# KiCad board panel.kicad_pcb (continued)
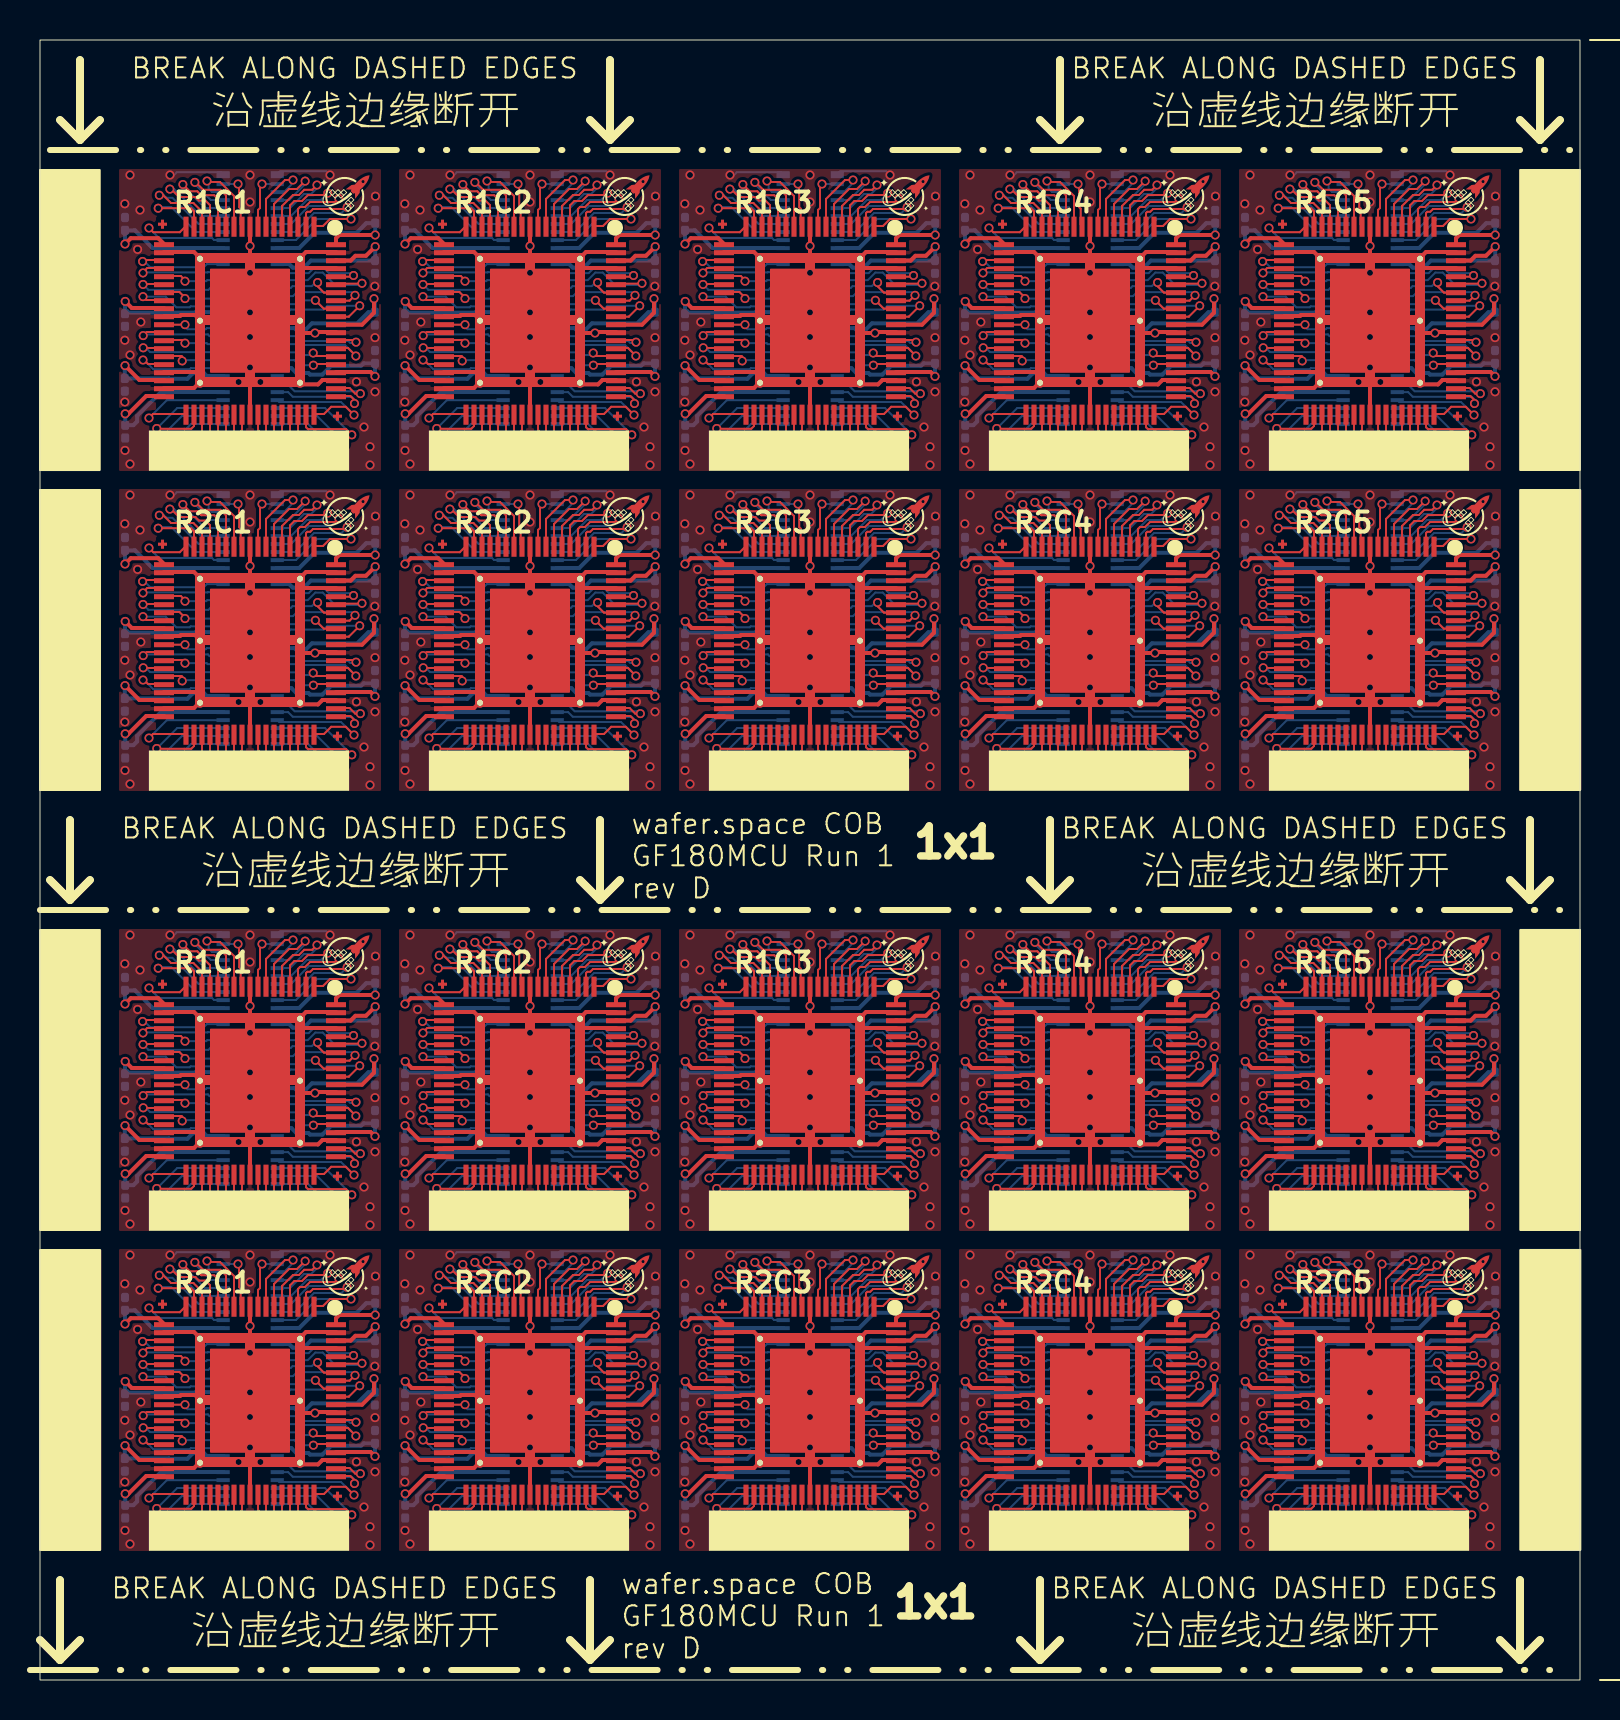
[diagram p0: board, top side]
## Routing (per net, layer and track width the routed paths; a pad name or vN(x,y) marks a point on that pad's centre or on a via; arc(x,y) is an arc through that point) (continued)
PWR_AUX_1: length 176.2
  Top w0.2: v1(72.7,69.06) 72.7,68.37 72.1,67.77 U110#2.64 ; U102.64 16.1,29.77 16.7,30.36 v1(16.7,31.06) ; U118.64 58.1,13.77 58.7,14.36 v1(58.7,15.06) ; v1(72.7,31.06) 72.7,30.36 72.1,29.77 U110.64 ; U108.64 58.1,67.77 58.7,68.37 v1(58.7,69.06) ; U104#2.64 30.1,67.77 30.7,68.37 v1(30.7,69.06) ; v1(44.7,53.06) 44.7,52.36 44.1,51.77 U116#2.64 ; U116.64 44.1,13.77 44.7,14.36 v1(44.7,15.06) ; U120.64 72.1,13.77 72.7,14.36 v1(72.7,15.06) ; v1(44.7,69.06) 44.7,68.37 44.1,67.77 U106#2.64 ; v1(44.7,31.06) 44.7,30.36 44.1,29.77 U106.64 ; v1(16.7,69.06) 16.7,68.37 16.1,67.77 U102#2.64 ; U112#2.64 16.1,51.77 16.7,52.36 v1(16.7,53.06) ; v1(30.7,53.06) 30.7,52.36 30.1,51.77 U114#2.64 ; U104.64 30.1,29.77 30.7,30.36 v1(30.7,31.06) ; v1(72.7,53.06) 72.7,52.36 72.1,51.77 U120#2.64 ; U114.64 30.1,13.77 30.7,14.36 v1(30.7,15.06) ; v1(58.7,53.06) 58.7,52.36 58.1,51.77 U118#2.64 ; v1(58.7,31.06) 58.7,30.36 58.1,29.77 U108#2.64 ; v1(16.7,15.06) 16.7,14.36 16.1,13.77 U112.64
  Bottom w0.2: U103#2.19 26.73,67.59 26.81,67.51 27.28,67.51 27.6,67.83 29.86,67.83 30.42,68.39 C114#2.1 30.74,69.03 v1(30.7,69.06) ; U109.19 68.73,67.59 68.81,67.51 69.28,67.51 69.6,67.83 71.86,67.83 72.42,68.39 C138.1 72.74,69.03 v1(72.7,69.06) ; U101#2.19 12.73,29.59 12.81,29.51 13.28,29.51 13.6,29.83 15.86,29.83 16.42,30.39 C106#2.1 16.74,31.03 v1(16.7,31.06) ; v1(58.7,53.06) 58.74,53.03 C170#2.1 58.42,52.39 57.86,51.83 55.6,51.83 55.28,51.51 54.81,51.51 54.73,51.59 U117#2.19 ; U111.19 12.73,51.59 12.81,51.51 13.28,51.51 13.6,51.83 15.86,51.83 16.42,52.39 C146.1 16.74,53.03 v1(16.7,53.06) ; U101.19 12.73,67.59 12.81,67.51 13.28,67.51 13.6,67.83 15.86,67.83 16.42,68.39 C106.1 16.74,69.03 v1(16.7,69.06) ; v1(44.7,31.06) 44.74,31.03 C122.1 44.42,30.39 43.86,29.83 41.6,29.83 41.28,29.51 40.81,29.51 40.73,29.59 U105.19 ; U115.19 40.73,51.59 40.81,51.51 41.28,51.51 41.6,51.83 43.86,51.83 44.42,52.39 C162#2.1 44.74,53.03 v1(44.7,53.06) ; U111#2.19 12.73,13.59 12.81,13.51 13.28,13.51 13.6,13.83 15.86,13.83 16.42,14.39 C146#2.1 16.74,15.03 v1(16.7,15.06) ; v1(72.7,31.06) 72.74,31.03 C138#2.1 72.42,30.39 71.86,29.83 69.6,29.83 69.28,29.51 68.81,29.51 68.73,29.59 U109#2.19 ; v1(58.7,31.06) 58.74,31.03 C130#2.1 58.42,30.39 57.86,29.83 55.6,29.83 55.28,29.51 54.81,29.51 54.73,29.59 U107#2.19 ; v1(58.7,15.06) 58.74,15.03 C170.1 58.42,14.39 57.86,13.83 55.6,13.83 55.28,13.51 54.81,13.51 54.73,13.59 U117.19 ; v1(72.7,53.06) 72.74,53.03 C178#2.1 72.42,52.39 71.86,51.83 69.6,51.83 69.28,51.51 68.81,51.51 68.73,51.59 U119#2.19 ; v1(30.7,53.06) 30.74,53.03 C154.1 30.42,52.39 29.86,51.83 27.6,51.83 27.28,51.51 26.81,51.51 26.73,51.59 U113#2.19 ; U113.19 26.73,13.59 26.81,13.51 27.28,13.51 27.6,13.83 29.86,13.83 30.42,14.39 C154#2.1 30.74,15.03 v1(30.7,15.06) ; U119.19 68.73,13.59 68.81,13.51 69.28,13.51 69.6,13.83 71.86,13.83 72.42,14.39 C178.1 72.74,15.03 v1(72.7,15.06) ; U115#2.19 40.73,13.59 40.81,13.51 41.28,13.51 41.6,13.83 43.86,13.83 44.42,14.39 C162.1 44.74,15.03 v1(44.7,15.06) ; U105#2.19 40.73,67.59 40.81,67.51 41.28,67.51 41.6,67.83 43.86,67.83 44.42,68.39 C122#2.1 44.74,69.03 v1(44.7,69.06) ; v1(30.7,31.06) 30.74,31.03 C114.1 30.42,30.39 29.86,29.83 27.6,29.83 27.28,29.51 26.81,29.51 26.73,29.59 U103.19 ; U107.19 54.73,67.59 54.81,67.51 55.28,67.51 55.6,67.83 57.86,67.83 58.42,68.39 C130.1 58.74,69.03 v1(58.7,69.06)

## Copper pours and planes (outline as drawn; the poured copper is in the pictures)
GND on Top, Bottom, In1.Cu, In2.Cu: 45.5,76 59.5,76 59.5,60 45.5,60
GND on Top, Bottom, In1.Cu, In2.Cu: 59.5,22 73.5,22 73.5,6 59.5,6
GND on Top, Bottom, In1.Cu, In2.Cu: 3.5,22 17.5,22 17.5,6 3.5,6
GND on Top, Bottom, In1.Cu, In2.Cu: 17.5,60 31.5,60 31.5,44 17.5,44
GND on Top, Bottom, In1.Cu, In2.Cu: 17.5,38 31.5,38 31.5,22 17.5,22
GND on Top, Bottom, In1.Cu, In2.Cu: 17.5,22 31.5,22 31.5,6 17.5,6
GND on Top, Bottom, In1.Cu, In2.Cu: 3.5,76 17.5,76 17.5,60 3.5,60
GND on Top, Bottom, In1.Cu, In2.Cu: 45.5,60 59.5,60 59.5,44 45.5,44
GND on Top, Bottom, In1.Cu, In2.Cu: 45.5,38 59.5,38 59.5,22 45.5,22
GND on Top, Bottom, In1.Cu, In2.Cu: 59.5,38 73.5,38 73.5,22 59.5,22
GND on Top, Bottom, In1.Cu, In2.Cu: 59.5,76 73.5,76 73.5,60 59.5,60
GND on Top, Bottom, In1.Cu, In2.Cu: 3.5,38 17.5,38 17.5,22 3.5,22
GND on Top, Bottom, In1.Cu, In2.Cu: 3.5,60 17.5,60 17.5,44 3.5,44
GND on Top, Bottom, In1.Cu, In2.Cu: 31.5,60 45.5,60 45.5,44 31.5,44
GND on Top, Bottom, In1.Cu, In2.Cu: 31.5,76 45.5,76 45.5,60 31.5,60
GND on Top, Bottom, In1.Cu, In2.Cu: 45.5,22 59.5,22 59.5,6 45.5,6
GND on Top, Bottom, In1.Cu, In2.Cu: 31.5,22 45.5,22 45.5,6 31.5,6
GND on Top, Bottom, In1.Cu, In2.Cu: 31.5,38 45.5,38 45.5,22 31.5,22
GND on Top, Bottom, In1.Cu, In2.Cu: 59.5,60 73.5,60 73.5,44 59.5,44
GND on Top, Bottom, In1.Cu, In2.Cu: 17.5,76 31.5,76 31.5,60 17.5,60

## Text on the board
B.Silkscreen: 70 PIN MEZZANINE / 74 PIN PADRING / VERSION: TT01 | wafer.space / GF180MCU Run 1
User.Eco2: Allocated Space / For Passives
F.Silkscreen: BREAK ALONG DASHED EDGES | wafer.space COB / GF180MCU Run 1 / rev D | R1C1 | R2C1 | R1C2 | R2C2 | R1C3 | R2C3 | R1C4 | R2C4 | R1C5 | R2C5 | 沿虚线边缘断开 | 1x1
User.1: V-CUT
